# KiCad board main.kicad_pcb (continued)
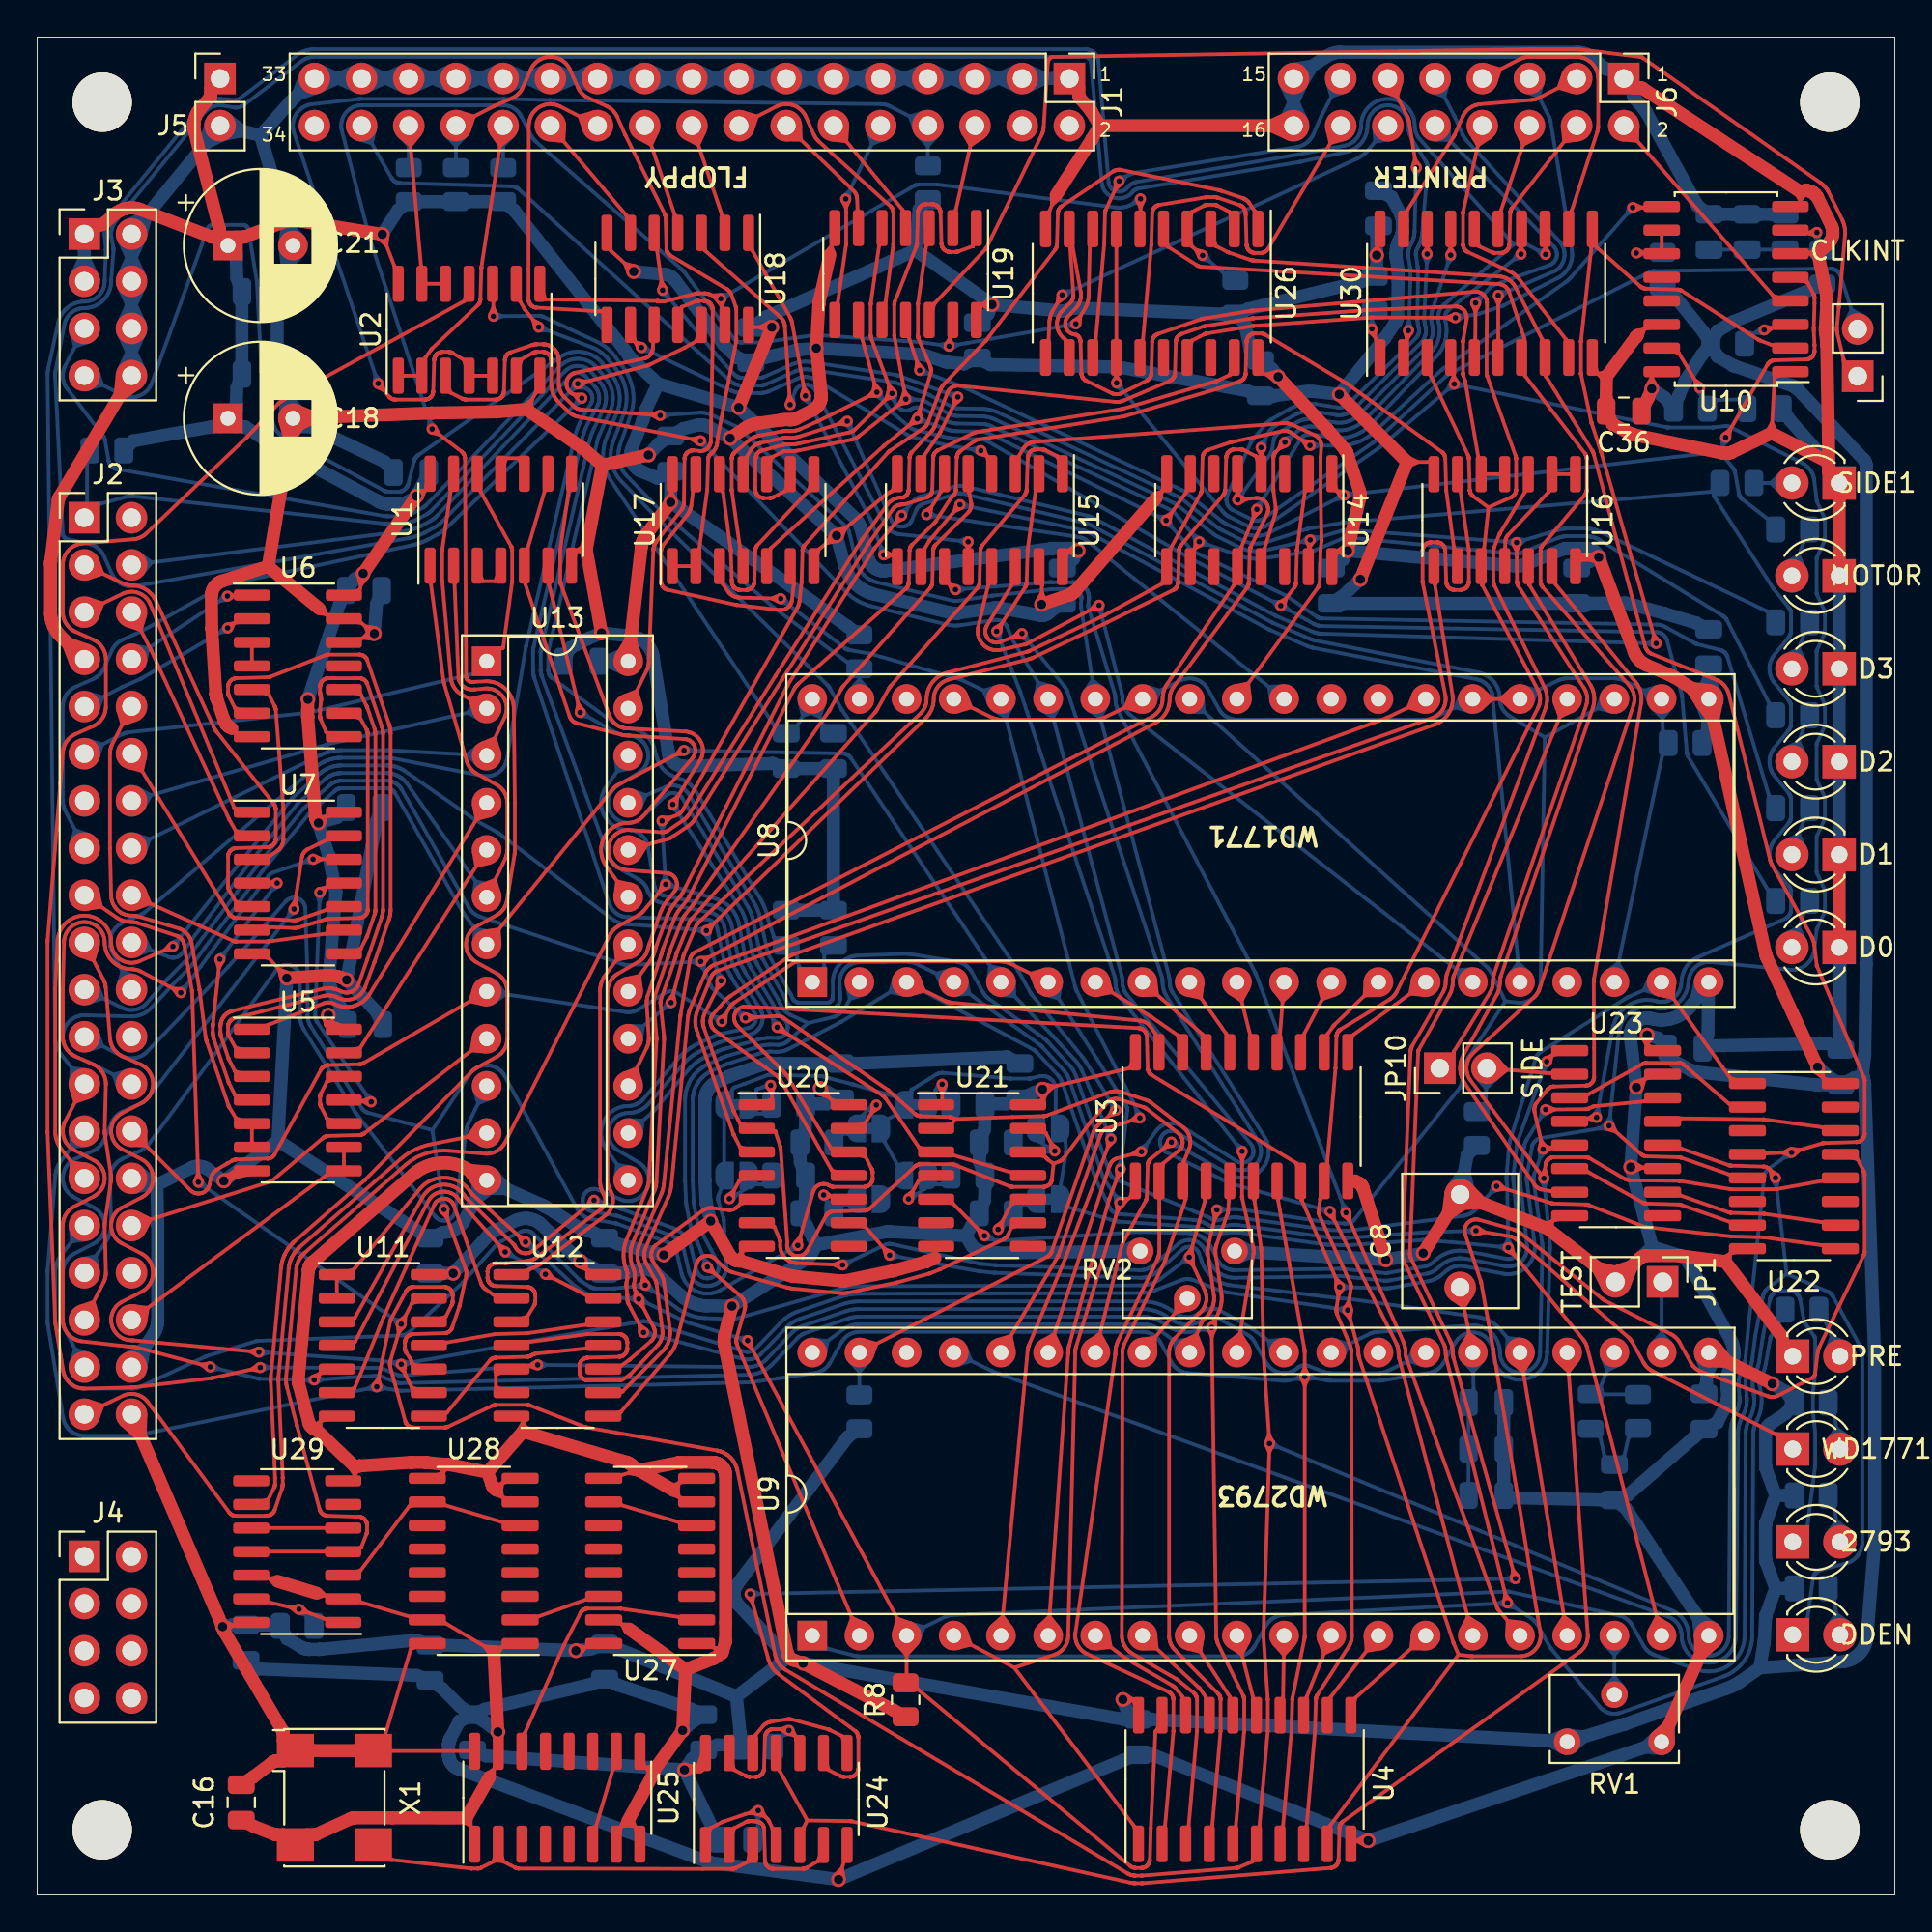
[diagram p0: board, top side]
## Routing (per net, layer and track width the routed paths; a pad name or vN(x,y) marks a point on that pad's centre or on a via; arc(x,y) is an arc through that point) (continued)
F_A12: length 15.5
  Top w0.2: 5.8,68.84 5.58,68.08 4.83,68.34 ; U7.2 10.67,57.29 10.33,57.9 10.32,57.93 10.31,57.95 6.13,67 6.11,67.04 J2.6
F_A13: length 18.5
  Top w0.2: U7.1 10.61,58.51 10.61,58.52 6.09,69.47 6.07,69.53 6.04,69.58 6.01,69.64 5.97,69.69 5.93,69.74 5.89,69.79 5.85,69.83 5.8,69.88 5.75,69.92 5.7,69.96 5.64,69.99 5.59,70.02 5.53,70.05 5.47,70.07 5.41,70.09 5.35,70.11 5.29,70.13 5.23,70.14 5.16,70.14 5.1,70.15 5.04,70.15 4.97,70.14 4.91,70.13 4.85,70.12 4.79,70.11 4.72,70.09 4.66,70.07 4.61,70.04 J2.5 ; 2.77,69.76 3.52,69.52 3.24,68.78
F_A14: length 13.5
  Top w0.2: 10.61,68.46 U6.2 ; 10.61,68.46 v2(10.26,68.2) ; 10.61,68.46 10.43,68.11 ; 10.61,68.46 10.23,68.4
  Bottom w0.2: 10.09,68.31 9.84,67.96 10.28,68 ; J2.9 4.55,65 4.58,65.02 4.61,65.03 5.55,65.45 5.58,65.46 5.6,65.47 5.62,65.48 5.64,65.5 5.67,65.51 v2(10.26,68.2) ; 2.75,64.69 3.51,64.47 3.25,63.72
F_A15: length 10.5
  Top w0.2: 10.59,69.91 10.69,69.91 U6.1 ; 10.59,69.91 10.35,70.08 ; 10.59,69.91 10.35,69.75 ; 10.59,69.91 v2(10.24,69.91)
  Bottom w0.2: 5.81,66.34 5.99,67.11 5.21,67.25 ; 10.07,70.02 9.84,69.65 10.27,69.72 ; v2(10.24,69.91) J2.8
F_D0: length 220.6
  Top w0.2: 47.38,39.29 47.41,39.3 47.43,39.31 47.47,39.32 47.49,39.33 47.55,39.33 47.57,39.33 49.22,39.33 49.24,39.33 49.28,39.33 49.31,39.32 49.32,39.32 49.36,39.31 49.38,39.3 52.35,38.14 52.38,38.13 52.42,38.12 52.44,38.11 52.46,38.11 52.51,38.11 52.52,38.11 54.17,38.11 54.19,38.11 54.23,38.11 54.25,38.12 54.27,38.12 54.31,38.13 54.33,38.14 54.35,38.15 54.38,38.16 54.4,38.18 54.42,38.19 54.45,38.21 54.47,38.22 54.48,38.24 54.51,38.26 54.52,38.28 54.54,38.29 ; 42.68,36.75 42.71,36.76 42.73,36.77 42.77,36.78 42.79,36.78 42.85,36.79 42.85,36.79 44.52,36.84 44.54,36.84 44.58,36.84 44.6,36.85 44.62,36.85 44.65,36.86 44.68,36.87 44.7,36.88 44.73,36.89 44.75,36.91 44.77,36.92 44.8,36.94 44.82,36.96 47.26,39.21 47.28,39.23 47.32,39.26 47.34,39.27 47.38,39.29 ; U30.18 74.82,88.79 74.82,88.69 ; 60.91,10.92 60.9,10.92 56.51,12.98 56.45,13 56.4,13.03 56.35,13.07 56.3,13.1 56.25,13.14 56.21,13.18 56.17,13.22 56.13,13.27 56.09,13.31 56.06,13.36 56.03,13.41 56,13.47 55.97,13.52 55.95,13.58 55.93,13.63 55.91,13.69 55.9,13.75 55.89,13.81 55.89,13.87 55.88,13.93 55.88,13.99 55.89,14.05 55.89,14.11 58.03,29.04 58.03,29.07 58.04,29.09 58.04,29.12 58.04,29.14 58.04,29.17 58.04,29.19 58.04,29.26 58.05,29.33 58.06,29.39 58.07,29.46 58.08,29.52 58.09,29.58 58.11,29.65 58.14,29.71 58.16,29.77 58.19,29.83 60.3,34.21 60.32,34.25 60.34,34.29 60.35,34.34 60.37,34.38 60.38,34.43 60.39,34.47 60.4,34.52 60.4,34.56 60.4,34.61 60.41,34.66 60.41,37.54 60.39,38.43 60.63,39.39 60.63,39.4 61.44,40.04 61.46,40.07 61.49,40.09 61.51,40.12 61.54,40.14 61.56,40.17 61.58,40.2 61.59,40.23 61.61,40.27 61.62,40.3 61.64,40.33 61.65,40.37 61.65,40.4 61.66,40.44 61.66,40.47 61.67,40.51 61.66,40.54 61.66,40.58 61.66,40.61 61.65,40.65 61.64,40.68 61.63,40.72 61.62,40.75 61.6,40.78 61.59,40.82 61.57,40.85 61.55,40.88 61.53,40.9 61.51,40.93 61.48,40.96 61.45,40.98 61.43,41 ; 74.82,88.69 74.66,88.43 ; 74.82,88.69 v2(74.82,88.32) ; 74.82,88.69 74.99,88.43 ; 37.49,42.2 37.51,42.16 37.83,41.53 37.83,41.53 U20.2 39.71,41.1 39.73,41.09 39.74,41.07 39.74,41.07 40,40.29 40.01,40.27 40.01,40.24 40.02,40.21 40.02,40.19 40.02,40.16 40.37,35.19 40.38,35.16 40.38,35.13 40.38,35.12 40.37,34.99 40.37,34.95 40.37,34.92 40.38,34.88 40.38,34.85 40.39,34.81 40.4,34.78 40.41,34.75 40.43,34.71 40.44,34.68 40.46,34.65 40.48,34.62 40.5,34.59 40.52,34.57 40.55,34.54 40.58,34.52 40.6,34.5 40.63,34.48 40.66,34.46 40.69,34.44 40.73,34.43 40.76,34.42 40.79,34.4 40.83,34.4 40.86,34.39 40.9,34.39 40.93,34.38 40.97,34.38 41,34.39 41.04,34.39 41.07,34.4 41.11,34.41 41.14,34.42 41.17,34.43 41.21,34.45 41.24,34.46 41.27,34.48 41.3,34.5 41.32,34.52 41.35,34.55 41.37,34.57 41.4,34.6 41.42,34.63 41.44,34.66 41.45,34.69 42.46,36.55 42.47,36.58 42.5,36.61 42.52,36.63 42.54,36.66 42.56,36.68 42.58,36.69 42.62,36.72 42.64,36.73 42.68,36.75 ; 1.79,38.64 1.87,39.43 2.65,39.31 ; 65.88,77.5 65.88,77.4 U14.4 65.61,77.44 65.61,77.44 64.98,77.76 64.94,77.78 64.91,77.79 64.9,77.79 64.86,77.8 64.84,77.81 64.79,77.81 64.77,77.81 64.47,77.81 64.44,77.81 64.4,77.81 64.38,77.8 64.36,77.8 64.32,77.79 64.3,77.78 64.28,77.77 ; 65.88,77.5 66.06,77.81 ; 65.88,77.5 65.71,77.81 ; 65.88,77.5 v2(65.88,77.91) ; U4.2 60.72,3.73 61.16,8.81 61.17,8.83 61.17,10.51 61.16,10.54 61.16,10.57 61.16,10.6 61.15,10.61 61.14,10.65 61.13,10.67 61.13,10.69 61.11,10.72 61.1,10.75 61.09,10.76 61.07,10.79 61.05,10.81 61.04,10.82 61.01,10.85 60.99,10.87 60.96,10.89 60.94,10.91 60.91,10.92 ; 37.49,42.2 37.48,42.22 35.89,46.67 35.88,46.72 35.87,46.77 35.85,46.82 35.85,46.87 35.84,46.92 35.84,46.97 35.84,47.02 35.84,47.08 35.84,47.13 35.85,47.18 35.86,47.23 35.87,47.28 35.89,47.33 35.9,47.38 35.92,47.42 35.94,47.47 v2(36.81,49.2) ; 61.32,70.37 61.31,70.35 61.29,70.33 61.26,70.31 61.24,70.29 61.23,70.28 61.2,70.26 61.18,70.25 61.17,70.24 57.61,68.5 57.6,68.5 53.63,66.61 53.59,66.59 53.54,66.57 53.5,66.55 53.46,66.54 53.41,66.52 53.37,66.51 49.08,65.42 49.02,65.4 48.96,65.38 48.9,65.36 48.84,65.33 48.79,65.3 48.74,65.27 48.69,65.23 48.64,65.19 48.59,65.15 48.55,65.11 48.51,65.06 48.47,65.01 48.44,64.96 48.4,64.91 48.37,64.85 48.35,64.8 48.33,64.74 48.31,64.68 48.29,64.62 48.28,64.56 48.27,64.5 48.26,64.44 48.26,64.37 48.26,64.3 48.25,64.23 48.25,64.16 48.23,64.08 48.22,64.01 48.2,63.94 48.17,63.87 48.15,63.8 48.12,63.74 48.08,63.67 48.05,63.61 48.01,63.55 47.96,63.49 47.92,63.43 47.87,63.38 47.82,63.33 v2(36.03,51.9) ; 64.28,77.77 64.25,77.76 64.23,77.74 64.2,77.73 64.18,77.71 64.16,77.69 64.12,77.66 64.11,77.64 64.08,77.6 64.07,77.58 64.05,77.56 64.04,77.52 64.03,77.5 64.02,77.48 64.01,77.45 64.01,77.42 64,77.37 64,77.36 63.96,75.64 63.95,75.62 63.95,75.59 63.95,75.56 63.94,75.54 63.93,75.51 63.92,75.48 63.92,75.47 63.9,75.44 63.89,75.41 63.88,75.4 63.85,75.36 63.85,75.35 61.57,72.65 61.56,72.63 61.54,72.6 61.52,72.57 61.5,72.53 61.49,72.51 61.48,72.48 61.47,72.45 61.47,72.42 61.46,72.37 61.46,72.36 61.42,70.64 61.41,70.62 61.41,70.59 61.41,70.56 61.4,70.54 61.39,70.51 61.38,70.48 61.38,70.47 61.36,70.44 61.35,70.41 61.34,70.4 61.32,70.38 ; 54.54,38.3 54.56,38.32 54.57,38.35 54.58,38.36 54.59,38.4 54.6,38.42 54.61,38.44 54.62,38.48 54.62,38.51 54.72,39.36 ; v2(7.31,51.05) 5.52,50.27 5.46,50.24 5.4,50.22 5.33,50.2 5.27,50.19 5.2,50.18 5.14,50.17 5.07,50.17 5.01,50.18 4.94,50.18 4.88,50.19 4.81,50.21 4.75,50.22 4.69,50.25 4.62,50.27 4.57,50.3 4.51,50.33 4.45,50.37 4.4,50.41 4.35,50.45 4.3,50.5 4.26,50.55 4.21,50.6 4.18,50.65 4.14,50.7 4.11,50.76 4.08,50.82 4.05,50.88 4.03,50.95 4.01,51.01 4,51.07 3.99,51.14 3.99,51.2 3.98,51.36 3.97,51.45 3.96,51.54 3.94,51.62 3.91,51.71 3.89,51.79 3.85,51.88 3.81,51.96 3.77,52.03 3.72,52.11 3.66,52.18 3.6,52.25 3.54,52.31 3.48,52.37 3.41,52.42 3.33,52.48 3.26,52.52 3.18,52.56 3.1,52.6 3.01,52.63 2.93,52.66 2.84,52.68 2.75,52.7 2.67,52.71 2.58,52.71 2.49,52.71 2.4,52.71 2.31,52.69 2.22,52.68 2.14,52.66 2.05,52.63 1.97,52.59 1.89,52.56 1.81,52.51 1.73,52.47 1.66,52.41 1.59,52.36 1.53,52.3 1.46,52.23 1.41,52.16 1.35,52.09 1.31,52.02 1.26,51.94 1.22,51.86 1.19,51.78 1.16,51.69 1.14,51.61 1.12,51.52 1.11,51.43 1.1,51.34 0.97,48.81 0.97,48.77 0.97,48.73 0.97,41.11 0.97,41.03 0.98,40.95 0.99,40.87 1,40.79 1.02,40.71 1.04,40.63 1.07,40.56 1.1,40.48 1.13,40.41 1.17,40.34 1.21,40.27 1.26,40.2 1.31,40.14 J2.29 ; 61.43,41 59.73,42.31 59.71,42.32 59.69,42.33 59.67,42.35 59.65,42.36 59.63,42.37 59.61,42.38 59.59,42.39 59.57,42.4 59.55,42.4 58.26,42.82 58.23,42.83 58.19,42.84 58.16,42.85 58.12,42.85 58.09,42.85 58.06,42.85 58.02,42.85 57.99,42.85 57.96,42.84 57.92,42.84 57.89,42.83 57.86,42.82 57.83,42.8 57.8,42.79 57.77,42.77 57.74,42.76 57.71,42.74 57.68,42.72 57.66,42.69 57.63,42.67 57.61,42.64 56.73,41.63 56.7,41.6 56.67,41.56 56.66,41.54 55.27,39.68 55.25,39.66 55.24,39.63 55.22,39.61 55.2,39.59 55.18,39.58 55.15,39.56 55.13,39.54 55.11,39.53 55.08,39.51 55.06,39.5 55.03,39.49 55.01,39.47 54.72,39.36 ; 35.96,52.09 36.37,52.24 36.21,51.83 ; U21.12 54.27,39.73 54.29,39.7 54.31,39.68 54.32,39.66 54.34,39.64 54.36,39.62 54.38,39.61 54.4,39.59 54.42,39.57 54.44,39.56 54.72,39.36 ; 7.16,51.19 6.87,50.86 7.31,50.85 ; 36.61,49.21 36.6,48.77 36.94,49.05
  Bottom w0.2: v2(65.88,77.91) 66.25,78.65 66.28,78.69 66.3,78.74 66.33,78.78 66.36,78.82 66.39,78.86 66.42,78.9 66.46,78.93 66.5,78.97 66.54,79 66.58,79.03 66.62,79.06 66.66,79.08 67.61,79.62 67.68,79.66 67.76,79.7 67.84,79.73 67.93,79.77 68.01,79.79 68.1,79.81 68.18,79.83 68.27,79.85 68.36,79.86 68.45,79.86 68.54,79.86 68.63,79.86 68.71,79.85 68.8,79.84 69.92,79.66 69.98,79.66 70.03,79.65 70.09,79.65 70.15,79.65 70.21,79.66 70.27,79.67 70.32,79.68 70.38,79.69 70.44,79.71 70.49,79.72 70.55,79.75 70.6,79.77 70.65,79.8 70.7,79.83 70.75,79.86 70.79,79.9 70.84,79.94 70.88,79.98 74.48,83.54 74.51,83.58 74.55,83.62 74.58,83.66 74.61,83.7 74.64,83.74 74.66,83.79 74.68,83.84 74.7,83.89 74.72,83.93 74.73,83.98 74.74,84.04 74.75,84.09 74.76,84.14 74.76,84.19 74.76,84.24 74.75,84.29 74.75,84.35 74.74,84.4 74.73,84.45 74.72,84.47 74.71,84.53 74.69,84.59 74.68,84.65 74.68,84.72 74.67,84.78 74.67,84.85 74.67,84.91 74.67,84.97 v2(74.82,88.32) ; 15.66,60.64 15.7,60.66 15.74,60.68 15.78,60.69 15.82,60.7 15.86,60.72 15.9,60.73 15.95,60.74 16,60.75 16.04,60.76 16.08,60.77 16.12,60.78 16.16,60.78 16.21,60.79 16.26,60.79 16.28,60.79 16.31,60.8 16.34,60.8 16.37,60.8 16.39,60.8 18.79,60.8 18.82,60.8 18.85,60.8 18.87,60.8 18.9,60.79 18.95,60.79 18.98,60.79 19.02,60.78 19.06,60.78 19.1,60.77 19.15,60.76 19.19,60.75 19.23,60.74 19.28,60.73 19.32,60.72 19.36,60.7 19.41,60.69 19.45,60.67 19.49,60.66 19.53,60.64 19.57,60.62 19.61,60.6 19.65,60.58 19.69,60.56 19.72,60.54 19.76,60.51 19.8,60.49 23.56,57.87 23.6,57.85 23.64,57.83 23.66,57.82 24.74,57.22 24.76,57.2 24.78,57.19 24.8,57.18 24.82,57.16 24.84,57.15 24.87,57.13 30.94,52.54 30.99,52.5 31.06,52.46 31.12,52.42 31.18,52.39 31.25,52.36 31.32,52.33 31.39,52.31 31.46,52.29 31.53,52.27 31.6,52.26 31.67,52.25 31.74,52.25 31.82,52.25 31.85,52.25 31.89,52.24 31.9,52.24 v2(36.03,51.9) 36.53,50.03 36.54,49.98 36.55,49.93 36.57,49.88 36.59,49.83 36.6,49.78 v2(36.81,49.2) ; 7.5,51 7.61,51.43 7.22,51.23 ; 66.08,77.9 66.1,78.34 65.76,78.06 ; 75,88.23 74.8,87.84 74.64,88.25 ; 35.87,51.78 36.15,51.44 36.22,51.87 ; 35.96,52.09 35.55,51.94 35.93,51.73 ; 36.61,49.22 36.65,49.66 36.95,49.34 ; v2(7.31,51.05) 11.17,55.87 11.17,55.88 13.64,58.92 13.67,58.96 13.71,59 13.74,59.04 13.78,59.08 13.82,59.11 13.86,59.15 15.21,60.35 15.23,60.37 15.26,60.4 15.29,60.42 15.32,60.44 15.37,60.47 15.38,60.49 15.42,60.51 15.46,60.54 15.5,60.56 15.53,60.58 15.57,60.6 15.61,60.62 15.66,60.64
F_D1: length 191.6
  Top w0.2: v2(35.72,50.24) 36.14,50.47 ; 36.14,50.47 35.71,50.44 ; 36.14,50.47 35.88,50.12 ; 36.14,50.47 36.15,50.47 60.18,63.08 60.25,63.12 60.32,63.16 60.38,63.21 60.44,63.26 60.5,63.31 60.56,63.37 60.61,63.43 60.66,63.49 60.71,63.55 60.75,63.62 60.79,63.69 60.83,63.76 60.86,63.83 60.88,63.91 60.91,63.98 60.93,64.06 60.94,64.14 60.95,64.22 60.96,64.29 60.96,64.37 60.96,64.43 60.97,64.48 60.97,64.53 60.98,64.58 60.99,64.64 61.01,64.69 61.02,64.74 61.04,64.79 61.07,64.83 61.09,64.88 61.11,64.93 61.14,64.97 61.17,65.02 65.13,70.37 65.15,70.4 65.17,70.43 65.18,70.44 65.19,70.48 65.2,70.5 65.21,70.52 65.22,70.55 65.22,70.58 65.22,70.6 65.23,70.64 65.27,72.36 65.28,72.4 65.28,72.43 65.29,72.46 65.3,72.49 65.31,72.52 65.33,72.56 66.2,74.31 66.22,74.34 66.23,74.38 66.24,74.41 66.25,74.45 66.26,74.48 66.26,74.52 66.26,74.55 66.27,74.59 66.26,74.63 66.26,74.66 66.25,74.7 66.25,74.73 66.24,74.77 66.22,74.8 66.21,74.83 66.19,74.87 66.18,74.9 66.16,74.93 66.14,74.96 66.11,74.99 66.09,75.01 66.06,75.04 66.03,75.06 66.01,75.08 65.97,75.1 65.94,75.12 65.91,75.14 65.88,75.15 65.84,75.16 65.81,75.17 65.77,75.18 65.74,75.19 65.7,75.19 65.67,75.19 65.63,75.19 65.59,75.19 v2(64.63,75.09) 64.63,75.5 ; U21.2 49.28,41.55 49.39,41.76 ; 64.63,75.5 64.63,75.6 U14.5 ; 64.63,75.5 64.8,75.19 ; 64.63,75.5 64.45,75.19 ; 49.39,41.76 52.5,41.87 52.51,41.87 54.18,41.92 54.19,41.92 54.23,41.92 54.25,41.93 54.27,41.93 54.31,41.94 54.33,41.95 57.71,43.2 57.76,43.22 57.81,43.23 57.86,43.24 57.9,43.25 57.95,43.26 58,43.26 58.05,43.26 58.1,43.26 58.15,43.26 58.19,43.26 58.24,43.25 58.29,43.24 58.34,43.23 58.39,43.21 59.67,42.79 59.71,42.78 59.75,42.77 59.78,42.75 59.82,42.74 59.85,42.72 59.88,42.7 59.92,42.68 59.95,42.66 59.98,42.63 61.68,41.33 61.72,41.29 61.76,41.25 61.81,41.21 61.84,41.17 61.88,41.12 61.91,41.07 61.94,41.02 61.97,40.97 61.99,40.92 62.01,40.87 62.03,40.81 62.05,40.75 62.06,40.7 62.07,40.64 62.07,40.58 62.08,40.52 62.07,40.47 62.07,40.41 62.06,40.35 62.05,40.29 62.04,40.24 62.02,40.18 62,40.13 61.72,39.46 61.71,39.44 61.71,39.42 61.71,39.32 U3.3 61.82,37.45 61.82,37.44 60.74,34.2 ; 49.39,41.76 49.37,41.78 49.35,41.79 49.33,41.8 49.31,41.81 49.19,41.85 49.17,41.86 49.14,41.86 49.12,41.87 49.09,41.87 47.56,41.92 47.54,41.92 47.5,41.92 47.48,41.93 47.46,41.93 47.43,41.94 47.4,41.95 47.38,41.96 47.35,41.97 47.33,41.99 47.31,42 47.28,42.02 47.26,42.03 45.85,43.28 45.83,43.3 45.81,43.32 45.79,43.33 45.77,43.35 45.75,43.36 40.18,47.2 40.15,47.22 40.13,47.24 40.1,47.25 40.07,47.26 40.04,47.28 40.01,47.29 39.98,47.29 39.95,47.3 39.92,47.31 39.89,47.31 39.86,47.31 39.83,47.31 39.8,47.31 v2(38.13,47.21) ; U30.17 76.09,88.79 76.09,88.69 ; 38.2,47.39 38.61,47.24 38.22,47.03 ; 76.09,88.69 v2(76.09,88.26) ; 76.09,88.69 75.91,88.36 ; 76.09,88.69 76.27,88.36 ; 60.74,34.2 60.73,34.17 60.72,34.14 60.71,34.11 60.69,34.08 60.68,34.05 60.67,34.02 58.53,29.67 58.51,29.63 58.49,29.58 58.48,29.53 58.46,29.49 58.45,29.44 58.44,29.39 58.43,29.34 58.43,29.29 58.42,29.24 58.42,29.19 58.39,13.96 58.39,13.9 58.4,13.83 58.41,13.77 58.42,13.71 58.43,13.65 58.45,13.6 58.47,13.54 58.5,13.48 58.52,13.43 58.56,13.37 58.59,13.32 58.63,13.27 58.66,13.23 58.71,13.18 58.75,13.14 58.8,13.1 58.84,13.06 58.89,13.03 58.95,12.99 61.3,11.63 61.32,11.62 61.35,11.6 61.37,11.59 61.4,11.57 61.42,11.55 61.44,11.53 62.27,10.86 62.29,10.84 62.32,10.82 62.33,10.8 62.34,10.78 62.36,10.75 62.38,10.73 62.39,10.71 62.4,10.68 62.41,10.66 62.42,10.64 62.43,10.61 62.43,10.58 62.43,10.56 62.44,10.52 62.44,10.51 62.44,8.83 62.43,8.81 61.99,3.73 U4.3 ; 64.69,75.28 65.1,75.14 64.73,74.92
  Bottom w0.2: v2(64.63,75.09) 66.38,77.56 66.4,77.58 66.41,77.6 66.42,77.63 66.44,77.65 66.45,77.68 66.46,77.7 66.47,77.73 66.47,77.76 66.48,77.78 66.49,77.81 66.56,78.29 66.57,78.32 66.58,78.36 66.59,78.39 66.6,78.42 66.61,78.45 66.62,78.47 66.64,78.5 66.66,78.53 66.67,78.56 66.69,78.58 66.71,78.61 66.74,78.63 66.76,78.65 66.78,78.67 66.81,78.69 66.84,78.71 66.86,78.73 67.81,79.26 67.87,79.3 67.93,79.33 67.99,79.35 68.06,79.38 68.12,79.4 68.19,79.41 68.26,79.43 68.33,79.44 68.39,79.45 68.46,79.45 68.53,79.45 68.6,79.45 68.67,79.44 68.74,79.43 69.86,79.26 69.93,79.25 70.01,79.24 70.09,79.24 70.18,79.24 70.26,79.25 70.33,79.26 70.41,79.28 70.49,79.29 70.57,79.32 70.64,79.34 70.72,79.37 70.79,79.41 70.86,79.45 70.93,79.49 70.99,79.54 71.06,79.58 71.12,79.64 71.18,79.69 74.75,83.28 74.8,83.33 74.84,83.39 74.89,83.45 74.93,83.51 74.96,83.57 75,83.63 75.03,83.7 75.05,83.77 75.07,83.84 75.09,83.91 75.11,83.98 75.12,84.05 75.13,84.12 75.13,84.19 75.13,84.27 75.12,84.34 75.11,84.41 75.1,84.48 75.08,84.55 75.07,84.61 75.05,84.68 75.05,84.74 75.04,84.8 75.04,84.87 75.04,84.93 75.04,85 75.05,85.06 75.06,85.12 75.07,85.19 75.08,85.25 75.1,85.31 v2(76.09,88.26) ; 76.23,88.13 75.94,87.81 75.89,88.24 ; 37.94,47.13 37.77,47.53 38.19,47.4 ; v2(38.13,47.21) 36.4,48.75 36.38,48.77 36.37,48.79 36.35,48.81 36.33,48.83 36.31,48.85 36.3,48.87 36.28,48.9 36.27,48.92 36.26,48.94 36.25,48.97 v2(35.72,50.24) 31.87,50.06 31.82,50.06 31.78,50.06 31.73,50.06 31.69,50.06 31.64,50.07 31.6,50.08 31.55,50.09 31.51,50.1 31.47,50.11 23.84,52.65 23.79,52.67 23.74,52.7 23.68,52.72 23.63,52.75 23.58,52.78 23.54,52.81 23.49,52.85 23.45,52.89 23.41,52.93 23.37,52.97 23.33,53.01 23.29,53.06 23.26,53.11 23.23,53.16 19.64,59.49 19.62,59.51 19.61,59.53 19.57,59.58 19.56,59.6 19.55,59.62 19.54,59.63 19.52,59.65 19.51,59.66 19.49,59.68 19.46,59.71 19.45,59.72 19.43,59.74 19.42,59.75 19.4,59.76 19.38,59.78 19.33,59.81 19.31,59.83 19.3,59.84 19.28,59.85 19.26,59.86 19.24,59.87 19.18,59.9 19.16,59.9 19.14,59.91 19.12,59.92 19.1,59.93 19.09,59.93 19.04,59.94 19,59.96 18.98,59.96 18.96,59.96 18.94,59.97 18.92,59.97 18.88,59.97 18.83,59.98 18.79,59.98 16.39,59.98 16.35,59.98 16.3,59.97 16.26,59.97 16.24,59.97 16.22,59.96 16.2,59.96 16.18,59.96 16.14,59.94 16.1,59.93 16.08,59.93 16.06,59.92 16.04,59.91 16.02,59.9 15.98,59.89 15.94,59.87 15.92,59.86 15.91,59.85 15.89,59.84 15.87,59.83 15.82,59.79 15.79,59.77 15.76,59.75 15.75,59.74 14.4,58.54 14.38,58.52 14.36,58.5 14.33,58.47 14.31,58.45 14.29,58.43 14.27,58.41 11.81,55.37 11.78,55.33 8.69,51.23 8.67,51.2 8.14,50.46 8.12,50.44 8.11,50.42 8.09,50.4 8.08,50.38 8.06,50.36 8.04,50.34 7,49.28 6.98,49.25 6.96,49.23 5.91,48.01 5.87,47.97 5.82,47.92 5.78,47.88 5.73,47.85 5.68,47.81 5.62,47.78 5.57,47.75 5.51,47.72 5.45,47.7 5.4,47.68 5.34,47.66 5.27,47.65 5.21,47.64 5.15,47.64 5.09,47.63 5.03,47.63 4.96,47.64 4.9,47.65 4.84,47.66 4.78,47.67 4.72,47.69 4.66,47.72 4.61,47.74 J2.21 ; 64.53,75.26 64.91,75.48 64.82,75.05 ; 35.63,50.42 35.24,50.22 35.64,50.06 ; 2.77,48.02 3.52,48.26 3.24,49 ; 35.58,50.09 35.9,49.8 35.92,50.23
F_D2: length 204
  Top w0.2: 65.79,74.44 65.47,74.14 65.46,74.57 ; 62.88,37.44 62.88,37.54 U3.4 ; 79.88,88.69 80.04,88.43 ; 79.88,88.69 79.88,88.79 U30.14 ; 79.88,88.69 79.71,88.43 ; 79.88,88.69 v2(79.88,88.32) ; 62.22,34.35 62.15,34.78 61.87,34.45 ; 61.89,34.17 62.22,33.89 62.22,34.32 ; v2(65.66,74.58) 64.8,72.5 64.8,72.49 U14.12 64.43,70.51 64.42,70.5 60.83,65.19 60.79,65.13 60.76,65.07 60.72,65 60.7,64.94 60.67,64.87 60.65,64.8 60.63,64.73 60.61,64.66 60.6,64.59 60.59,64.52 60.58,64.45 60.58,64.37 60.58,64.31 60.58,64.26 60.57,64.2 60.56,64.14 60.54,64.08 60.52,64.03 60.5,63.97 60.48,63.92 60.45,63.86 60.42,63.81 60.39,63.76 60.36,63.71 60.32,63.67 60.28,63.62 60.24,63.58 60.19,63.54 60.15,63.51 60.1,63.47 60.05,63.44 60,63.41 35.45,50.77 35.42,50.75 35.39,50.73 35.37,50.71 35.34,50.69 35.32,50.67 35.29,50.65 35.27,50.63 35.25,50.6 35.23,50.58 35.22,50.55 35.2,50.52 35.19,50.49 35.17,50.46 35.16,50.43 35.15,50.4 35.14,50.37 35.14,50.34 34.64,47.39 34.63,47.36 34.63,47.33 34.62,47.3 34.62,47.27 34.62,47.23 33.74,38.28 33.73,38.2 33.72,38.13 33.7,38.06 33.69,37.98 33.66,37.91 33.64,37.84 33.62,37.77 33.59,37.7 32.43,35.01 32.4,34.94 32.37,34.87 32.35,34.8 32.34,34.73 32.33,34.66 32.32,34.59 32.31,34.51 32.31,34.44 32.31,34.37 32.32,34.3 32.33,34.22 32.34,34.15 32.36,34.08 32.38,34.01 32.4,33.94 32.43,33.88 32.44,33.85 32.46,33.81 32.47,33.77 32.53,33.59 32.54,33.56 32.55,33.52 v2(32.73,32.82) ; 63.58,10.82 63.6,10.8 63.61,10.78 63.63,10.75 63.65,10.73 63.66,10.71 63.67,10.68 63.68,10.66 63.69,10.64 63.7,10.61 63.7,10.58 63.7,10.56 63.71,10.52 63.71,10.51 63.71,8.83 63.7,8.81 63.26,3.73 U4.4 ; 32.54,32.85 32.61,33.28 32.89,32.94 ; 62.88,37.44 62.88,37.42 62.88,37.42 v2(62.02,34.32) 62.85,32.55 62.87,32.5 62.89,32.44 62.91,32.39 62.92,32.33 62.93,32.27 62.94,32.22 62.94,32.16 62.94,32.1 62.94,32.04 62.94,31.98 62.93,31.92 62.91,31.87 62.9,31.81 62.88,31.76 62.86,31.7 62.83,31.65 62.8,31.6 62.77,31.55 62.74,31.5 62.7,31.45 62.66,31.41 62.62,31.37 62.58,31.33 62.55,31.31 62.52,31.28 62.49,31.25 61.25,29.97 61.21,29.93 61.17,29.88 61.14,29.84 61.11,29.79 61.08,29.74 61.05,29.69 61.02,29.64 61,29.59 60.98,29.53 60.97,29.48 60.96,29.42 60.95,29.37 60.94,29.31 60.93,29.25 60.93,29.19 60.93,13.95 60.93,13.9 60.94,13.84 60.95,13.78 60.96,13.73 60.97,13.67 60.99,13.61 61,13.56 61.03,13.51 61.05,13.45 61.08,13.4 61.11,13.35 61.14,13.31 61.18,13.26 61.21,13.22 61.25,13.17 63.58,10.82
  Bottom w0.2: v2(79.88,88.32) 77.06,86.18 77.06,86.17 76,85.34 75.97,85.32 75.95,85.3 75.93,85.28 75.91,85.26 75.89,85.23 75.87,85.2 75.85,85.18 75.84,85.15 75.82,85.12 75.81,85.09 75.8,85.06 75.79,85.03 75.79,85 75.78,84.97 75.78,84.94 75.78,84.91 75.78,84.87 75.78,84.84 75.78,84.81 75.79,84.78 75.8,84.75 75.8,84.73 75.83,84.62 75.85,84.51 75.86,84.4 75.87,84.29 75.87,84.18 75.86,84.07 75.85,83.96 75.84,83.85 75.82,83.74 75.79,83.64 75.75,83.53 75.72,83.43 75.67,83.33 75.62,83.23 75.57,83.13 75.5,83.04 75.44,82.95 75.37,82.86 75.29,82.78 71.78,79.14 71.7,79.05 71.6,78.97 71.5,78.89 71.4,78.82 71.3,78.75 71.19,78.69 71.07,78.64 70.96,78.59 70.84,78.54 70.72,78.51 70.6,78.48 70.48,78.45 70.35,78.44 70.23,78.42 70.1,78.42 69.98,78.42 69.85,78.43 69.73,78.45 68.61,78.62 68.58,78.63 68.54,78.63 68.51,78.63 68.48,78.63 68.44,78.63 68.41,78.62 68.37,78.61 68.34,78.61 68.31,78.6 68.28,78.58 68.25,78.57 68.22,78.55 68.19,78.54 68.16,78.52 68.13,78.5 68.11,78.47 68.08,78.45 68.06,78.43 68.04,78.4 68.02,78.37 68,78.34 v2(65.66,74.58) ; 65.55,74.75 65.91,74.99 65.85,74.56 ; 32.7,32.62 33.12,32.54 32.91,32.92 ; v2(62.02,34.32) 60.48,33.17 60.41,33.12 60.33,33.07 60.25,33.03 60.17,32.99 60.09,32.95 60,32.92 59.92,32.89 59.83,32.86 59.74,32.84 59.65,32.83 59.56,32.82 59.47,32.81 59.38,32.81 44.25,32.77 44.13,32.76 44.01,32.76 43.89,32.75 43.76,32.73 43.64,32.71 43.52,32.69 43.4,32.66 43.28,32.63 37.6,31.01 37.57,31 37.54,31 37.51,30.99 37.48,30.99 37.46,30.98 37.43,30.98 37.4,30.98 37.37,30.98 35.95,31.05 35.82,31.06 35.69,31.07 35.56,31.1 35.43,31.12 35.3,31.16 35.17,31.2 35.05,31.25 34.92,31.3 34.81,31.36 34.69,31.42 34.58,31.49 34.47,31.57 v2(32.73,32.82) 31.1,32.65 31.04,32.64 31.02,32.64 30.07,32.64 30.04,32.64 29.99,32.65 29.96,32.65 29.95,32.66 29.9,32.67 29.87,32.68 29.85,32.69 29.81,32.71 29.78,32.72 29.34,32.99 29.31,33.01 29.29,33.03 29.26,33.05 29.23,33.07 29.21,33.09 29.18,33.11 29.16,33.13 26.72,35.57 26.7,35.6 26.67,35.62 26.64,35.64 26.61,35.66 26.58,35.68 26.55,35.69 26.52,35.71 26.49,35.72 26.46,35.73 26.42,35.74 26.39,35.75 26.36,35.75 26.32,35.75 26.29,35.75 26.25,35.75 26.22,35.75 26.18,35.74 26.15,35.74 26.12,35.73 26.09,35.72 26.05,35.71 26.02,35.69 24.93,35.15 24.9,35.14 24.88,35.13 24.86,35.12 24.84,35.1 24.82,35.08 24.8,35.07 24.78,35.05 24.76,35.03 24.74,35.01 ; J2.31 1.31,34.46 1.26,34.4 1.21,34.33 1.17,34.26 1.13,34.19 1.1,34.12 1.07,34.04 1.04,33.97 1.02,33.89 1,33.81 0.99,33.73 0.98,33.65 0.97,33.57 0.97,33.49 0.97,30.95 0.97,30.91 0.97,30.87 0.97,30.82 0.98,30.78 0.98,30.74 0.99,30.7 1.4,28.22 1.41,28.16 1.42,28.1 1.44,28.03 1.47,27.97 1.49,27.91 1.52,27.85 1.55,27.8 1.59,27.74 1.63,27.69 1.67,27.64 1.72,27.59 1.76,27.55 1.81,27.51 1.87,27.47 1.92,27.43 1.98,27.4 2.03,27.37 2.09,27.34 2.16,27.32 2.22,27.3 2.28,27.28 2.34,27.27 2.41,27.26 2.47,27.25 2.54,27.25 5.08,27.25 5.13,27.25 5.18,27.25 5.23,27.26 5.28,27.27 5.33,27.28 5.38,27.29 5.43,27.3 5.47,27.32 5.52,27.34 5.57,27.36 9.06,28.97 9.08,28.99 9.11,29 9.14,29 11.76,29.8 11.78,29.8 11.81,29.81 11.83,29.81 11.85,29.82 11.87,29.82 11.89,29.82 11.92,29.82 19.62,30.11 19.65,30.12 19.68,30.12 19.71,30.12 19.74,30.13 19.77,30.14 19.8,30.15 19.83,30.16 19.86,30.17 19.89,30.19 19.91,30.2 19.94,30.22 19.96,30.24 19.99,30.26 20.01,30.28 22.88,32.93 22.9,32.95 22.92,32.97 22.93,32.98 24.74,35.01 ; 32.67,32.63 32.26,32.77 32.63,32.99 ; 2.65,35.29 1.87,35.17 1.79,35.96 ; 61.84,34.42 61.63,34.03 62.06,34.13 ; 79.92,88.12 79.49,88.03 79.7,88.41
F_D3: length 298.4
  Top w0.2: 2.79,42.94 2.04,42.68 1.82,43.44 ; 81.2,88.69 81.03,88.41 ; 81.2,88.69 81.37,88.41 ; 81.2,88.69 81.2,88.79 U30.13 ; 81.2,88.69 v2(81.2,88.3) ; 63.09,30.69 63.43,30.97 63.43,30.54 ; v2(9.32,28.42) 5.36,29.47 5.32,29.48 5.28,29.49 5.24,29.49 5.2,29.5 5.16,29.5 5.12,29.51 5.05,29.51 5.02,29.51 4.98,29.51 4.95,29.51 4.92,29.52 2.41,29.8 2.34,29.81 2.28,29.82 2.21,29.84 2.15,29.86 2.08,29.88 2.02,29.91 1.96,29.94 1.91,29.98 1.85,30.02 1.8,30.06 1.75,30.1 1.7,30.15 1.65,30.2 1.61,30.26 1.57,30.31 1.54,30.37 1.5,30.43 1.48,30.49 1.45,30.55 1.43,30.62 1.41,30.68 1.4,30.75 1.39,30.81 1.38,30.88 1.38,30.95 1.38,36.03 1.38,36.09 1.39,36.16 1.4,36.22 1.41,36.28 1.42,36.34 1.44,36.4 1.46,36.46 1.49,36.52 1.52,36.58 1.55,36.63 1.58,36.69 1.62,36.74 1.66,36.79 1.7,36.83 1.75,36.88 1.8,36.92 1.85,36.96 1.9,37 1.95,37.03 2.01,37.06 3.04,37.6 3.1,37.63 3.16,37.66 3.21,37.7 3.26,37.75 3.31,37.79 3.36,37.84 3.4,37.89 3.44,37.94 3.48,38 3.51,38.06 3.54,38.12 3.56,38.18 3.59,38.24 3.6,38.31 3.62,38.37 3.63,38.44 3.63,38.5 3.64,38.57 3.63,38.64 3.63,38.7 3.62,38.77 3.6,38.83 3.59,38.9 3.56,38.96 3.54,39.02 3.51,39.08 3.48,39.14 3.44,39.2 3.4,39.25 3.36,39.3 3.31,39.35 3.26,39.39 3.21,39.44 3.16,39.48 3.1,39.51 3.04,39.54 2.01,40.08 1.95,40.11 1.89,40.15 1.84,40.19 1.78,40.23 1.73,40.27 1.69,40.32 1.64,40.37 1.6,40.43 1.56,40.48 1.53,40.54 1.5,40.6 1.47,40.66 1.45,40.72 1.43,40.79 1.41,40.85 1.4,40.92 1.39,40.99 1.38,41.05 1.38,41.12 1.38,41.19 1.39,41.26 1.4,41.32 1.41,41.39 1.43,41.45 1.45,41.52 1.48,41.58 1.51,41.64 J2.25 ; U3.5 64.15,37.54 64.15,37.44 64.15,37.44 64.11,36.84 64.11,36.82 64.11,36.8 64.11,36.77 64.1,36.75 64.1,36.73 64.09,36.71 64.09,36.69 64.08,36.67 63.48,35 63.47,34.96 63.46,34.91 63.45,34.87 63.44,34.83 63.43,34.78 63.43,34.73 63.43,34.69 63.42,34.64 63.43,34.6 63.43,34.55 63.44,34.51 63.75,32.38 63.76,32.3 63.76,32.21 63.77,32.12 63.76,32.03 63.76,31.94 63.75,31.85 63.73,31.76 63.71,31.68 63.69,31.59 63.66,31.51 63.63,31.42 63.6,31.34 v2(63.23,30.54) 63.47,13.94 63.47,13.89 63.48,13.84 63.48,13.79 63.49,13.74 63.5,13.7 63.51,13.65 63.53,13.6 63.55,13.56 63.56,13.51 63.58,13.47 64.92,10.72 64.94,10.68 64.95,10.66 64.96,10.64 64.97,10.61 64.97,10.58 64.97,10.56 64.98,10.52 64.98,10.51 64.98,8.83 64.97,8.81 64.53,3.73 U4.5 ; 67.24,78.01 66.84,77.85 66.98,78.26 ; U14.13 66.07,72.49 66.63,74.28 66.64,74.32 66.65,74.37 66.66,74.41 66.67,74.45 66.67,74.5 66.67,74.54 66.68,74.59 66.67,74.63 66.67,74.68 66.67,74.72 66.55,75.58 66.54,75.63 66.54,75.65 66.54,77.35 66.55,77.38 66.55,77.41 66.55,77.44 66.56,77.46 66.57,77.49 66.58,77.52 66.59,77.56 66.61,77.58 66.62,77.6 66.65,77.64 66.66,77.66 v2(67.17,78.2) ; U11.5 15.2,28.05 ; 15.2,28.05 14.84,27.9 ; 15.2,28.05 15.11,27.67 ; 15.2,28.05 v2(14.91,27.72) ; 9.28,28.62 8.85,28.54 9.19,28.27 ; 63.41,30.46 63.23,30.06 63.04,30.45
  Bottom w0.2: 14.83,27.9 14.43,27.73 14.83,27.54 ; J2.25 1.31,45.22 1.26,45.28 1.21,45.35 1.17,45.42 1.14,45.49 1.1,45.56 1.07,45.63 1.05,45.71 1.02,45.78 1.01,45.86 0.99,45.94 0.98,46.01 0.97,46.09 0.97,46.17 0.56,81.76 0.56,81.82 0.56,81.88 0.57,81.95 0.57,82.01 0.58,82.07 0.59,82.14 0.6,82.2 1.13,84.63 1.15,84.7 1.17,84.78 1.2,84.86 1.23,84.93 1.27,85.01 1.31,85.08 1.36,85.15 1.4,85.21 1.46,85.27 1.51,85.33 1.57,85.39 1.63,85.44 1.7,85.49 1.77,85.54 1.84,85.58 1.91,85.62 1.98,85.65 2.06,85.68 2.14,85.71 2.22,85.73 2.3,85.74 2.38,85.75 2.46,85.76 2.6,85.77 2.67,85.77 2.73,85.78 2.79,85.79 2.85,85.81 2.92,85.83 2.97,85.85 3.03,85.88 3.09,85.91 3.14,85.94 3.19,85.98 3.24,86.02 3.29,86.06 3.34,86.11 3.38,86.16 3.42,86.21 3.46,86.26 3.49,86.31 3.52,86.37 3.55,86.43 3.57,86.48 3.59,86.55 3.61,86.61 3.62,86.67 3.63,86.73 3.63,86.8 3.64,86.86 3.64,86.9 3.64,86.92 3.7,88.54 3.7,88.57 3.7,88.58 3.64,89.28 3.64,89.36 3.64,89.43 3.64,89.5 3.65,89.58 3.66,89.65 3.67,89.72 3.69,89.79 3.71,89.86 3.74,89.93 3.77,90 3.8,90.07 3.84,90.13 3.87,90.19 3.92,90.25 3.96,90.31 8.73,96.15 8.78,96.21 8.83,96.26 8.89,96.32 8.95,96.37 9.01,96.41 9.07,96.46 9.14,96.49 9.21,96.53 9.28,96.56 9.35,96.59 9.43,96.62 9.5,96.64 9.58,96.65 9.65,96.67 9.73,96.67 9.81,96.68 9.88,96.68 9.96,96.67 10.67,96.62 10.69,96.62 10.7,96.61 10.72,96.62 10.73,96.62 10.75,96.62 10.77,96.62 10.78,96.63 10.8,96.63 10.81,96.64 10.83,96.64 10.84,96.65 10.86,96.66 10.87,96.67 10.88,96.68 13.98,99.03 14.04,99.07 14.11,99.11 14.17,99.15 14.24,99.19 14.31,99.22 14.39,99.25 14.46,99.28 14.54,99.3 14.61,99.31 14.69,99.33 14.77,99.34 14.85,99.34 14.92,99.35 56.42,99.35 56.46,99.34 56.5,99.34 56.54,99.33 56.58,99.33 56.62,99.32 56.66,99.3 56.7,99.29 56.73,99.27 56.77,99.25 56.8,99.23 56.84,99.21 56.87,99.18 56.9,99.16 56.93,99.13 56.96,99.1 56.99,99.06 57.01,99.03 57.03,99 57.05,98.96 57.07,98.92 57.09,98.89 57.1,98.85 57.11,98.81 57.12,98.77 57.13,98.73 57.13,98.69 57.67,92.21 57.68,92.17 57.68,92.14 57.69,92.11 57.7,92.07 57.71,92.04 57.73,92.01 57.74,91.98 57.76,91.95 57.78,91.92 57.8,91.89 57.82,91.87 57.85,91.84 57.87,91.82 57.9,91.8 57.93,91.78 57.96,91.76 57.99,91.75 58.02,91.73 58.05,91.72 58.08,91.71 58.12,91.7 58.15,91.69 58.18,91.69 58.22,91.69 58.25,91.69 58.29,91.69 58.32,91.69 58.35,91.7 58.39,91.71 58.42,91.72 58.45,91.73 58.48,91.74 58.51,91.76 58.54,91.78 58.57,91.8 58.6,91.82 58.62,91.84 58.65,91.86 58.67,91.89 58.68,91.9 58.71,91.93 58.74,91.97 58.78,92 58.81,92.03 58.85,92.06 58.89,92.08 58.93,92.11 58.97,92.13 59.01,92.15 59.06,92.17 59.1,92.18 59.14,92.2 59.19,92.21 59.24,92.22 67.89,93.69 67.92,93.69 70.37,94.16 70.44,94.17 70.5,94.19 70.56,94.21 70.62,94.23 70.67,94.26 70.73,94.29 70.78,94.32 70.83,94.36 70.88,94.4 70.93,94.44 70.97,94.49 71.01,94.54 71.05,94.59 71.09,94.64 71.12,94.69 71.15,94.75 71.18,94.8 71.2,94.86 71.22,94.92 71.24,94.98 71.25,95.05 71.26,95.11 71.26,95.17 71.27,95.23 71.27,95.32 71.28,95.41 71.29,95.5 71.31,95.59 71.33,95.67 71.36,95.76 71.4,95.84 71.44,95.92 71.48,95.99 71.53,96.07 71.59,96.14 71.64,96.21 71.71,96.27 71.77,96.33 71.84,96.39 71.91,96.44 71.99,96.48 72.07,96.53 72.15,96.56 72.23,96.6 72.32,96.62 72.4,96.64 72.49,96.66 72.58,96.67 72.67,96.68 72.75,96.68 72.84,96.67 72.93,96.66 73.02,96.64 73.1,96.62 73.19,96.6 73.27,96.56 73.35,96.53 73.43,96.48 73.51,96.44 73.58,96.39 73.65,96.33 73.71,96.27 73.78,96.21 73.83,96.14 73.89,96.07 73.94,95.99 73.98,95.92 74.02,95.84 74.06,95.76 74.09,95.67 74.11,95.59 74.13,95.5 74.14,95.41 74.15,95.32 74.15,95.23 74.15,95.18 74.16,95.12 74.17,95.06 74.18,95.01 74.19,94.95 74.21,94.9 74.23,94.84 74.25,94.79 74.27,94.74 74.3,94.69 74.33,94.64 74.36,94.59 74.39,94.55 74.43,94.51 79.47,88.84 ; 67.35,78.11 67.53,78.51 67.11,78.39 ; 63.18,30.34 62.76,30.44 63.1,30.7 ; v2(81.2,88.3) 80.16,88.86 80.13,88.87 80.11,88.88 80.08,88.89 80.05,88.9 80.02,88.91 79.99,88.92 79.96,88.92 79.93,88.93 79.9,88.93 79.87,88.93 79.83,88.93 79.8,88.92 79.77,88.92 79.74,88.91 79.71,88.91 79.47,88.84 ; v2(63.23,30.54) 62.31,30.34 62.22,30.32 62.12,30.31 62.03,30.3 61.94,30.29 61.84,30.29 61.75,30.3 61.66,30.31 61.56,30.33 61.47,30.35 61.38,30.37 61.29,30.4 61.21,30.44 61.12,30.47 61.04,30.52 60.96,30.56 60.52,30.84 60.44,30.88 60.36,30.92 60.28,30.96 60.2,31 60.11,31.03 60.03,31.05 59.94,31.07 59.86,31.09 59.77,31.11 59.68,31.12 59.59,31.12 59.5,31.13 44.26,31.13 44.18,31.12 44.1,31.12 44.02,31.11 43.95,31.1 43.87,31.08 43.79,31.07 43.71,31.05 43.64,31.02 41.36,30.25 41.32,30.23 41.27,30.21 41.23,30.19 41.19,30.17 41.15,30.14 41.11,30.12 41.07,30.09 41.03,30.06 40.99,30.03 40.96,30 40.92,29.96 39.57,28.56 39.5,28.49 39.43,28.43 39.36,28.37 39.28,28.31 39.2,28.26 39.12,28.22 39.03,28.17 38.94,28.13 38.85,28.1 38.76,28.07 38.67,28.05 38.58,28.03 38.48,28.01 38.39,28 38.29,28 19.63,27.55 19.58,27.55 19.54,27.55 19.5,27.55 19.46,27.56 19.41,27.56 19.37,27.57 19.33,27.58 19.29,27.59 19.25,27.61 19.21,27.62 18.51,27.91 18.49,27.92 18.46,27.93 18.43,27.94 18.41,27.94 18.38,27.95 18.35,27.95 18.32,27.96 18.29,27.96 18.27,27.96 18.24,27.96 v2(14.91,27.72) 11.99,27.78 11.96,27.78 11.94,27.78 11.92,27.78 11.9,27.79 11.88,27.79 11.86,27.8 v2(9.32,28.42) ; 79.47,88.84 75.73,85.61 75.69,85.57 75.66,85.53 75.62,85.49 75.59,85.45 75.56,85.41 75.53,85.37 75.51,85.32 75.49,85.27 75.47,85.22 75.45,85.17 75.43,85.12 75.42,85.07 75.41,85.02 75.41,84.97 75.41,84.91 75.41,84.86 75.41,84.81 75.42,84.76 75.43,84.71 75.44,84.65 75.44,84.64 75.46,84.55 75.48,84.46 75.49,84.37 75.5,84.28 75.5,84.18 75.49,84.09 75.49,84 75.47,83.91 75.45,83.82 75.43,83.73 75.4,83.65 75.37,83.56 75.33,83.48 75.29,83.4 75.24,83.32 75.19,83.24 75.14,83.17 75.08,83.1 75.02,83.03 71.48,79.41 71.4,79.34 71.33,79.28 71.25,79.21 71.16,79.15 71.08,79.1 70.99,79.05 70.89,79 70.8,78.96 70.7,78.93 70.6,78.9 70.51,78.88 70.4,78.86 70.3,78.84 70.2,78.83 70.1,78.83 70,78.83 69.89,78.84 69.79,78.85 68.67,79.03 68.62,79.04 68.57,79.04 68.52,79.04 68.47,79.04 68.41,79.04 68.36,79.03 68.31,79.02 68.26,79.01 68.21,78.99 68.16,78.98 68.11,78.96 68.06,78.93 68.02,78.91 67.97,78.88 67.93,78.85 67.89,78.82 67.84,78.79 v2(67.17,78.2) ; 1.79,43.72 1.87,44.51 2.65,44.39 ; 15.01,27.54 15.39,27.75 14.98,27.9 ; 81.04,88.18 80.78,88.53 81.21,88.5 ; 9.35,28.22 9.78,28.31 9.44,28.58